# KiCad board pcb.kicad_pcb (continued)
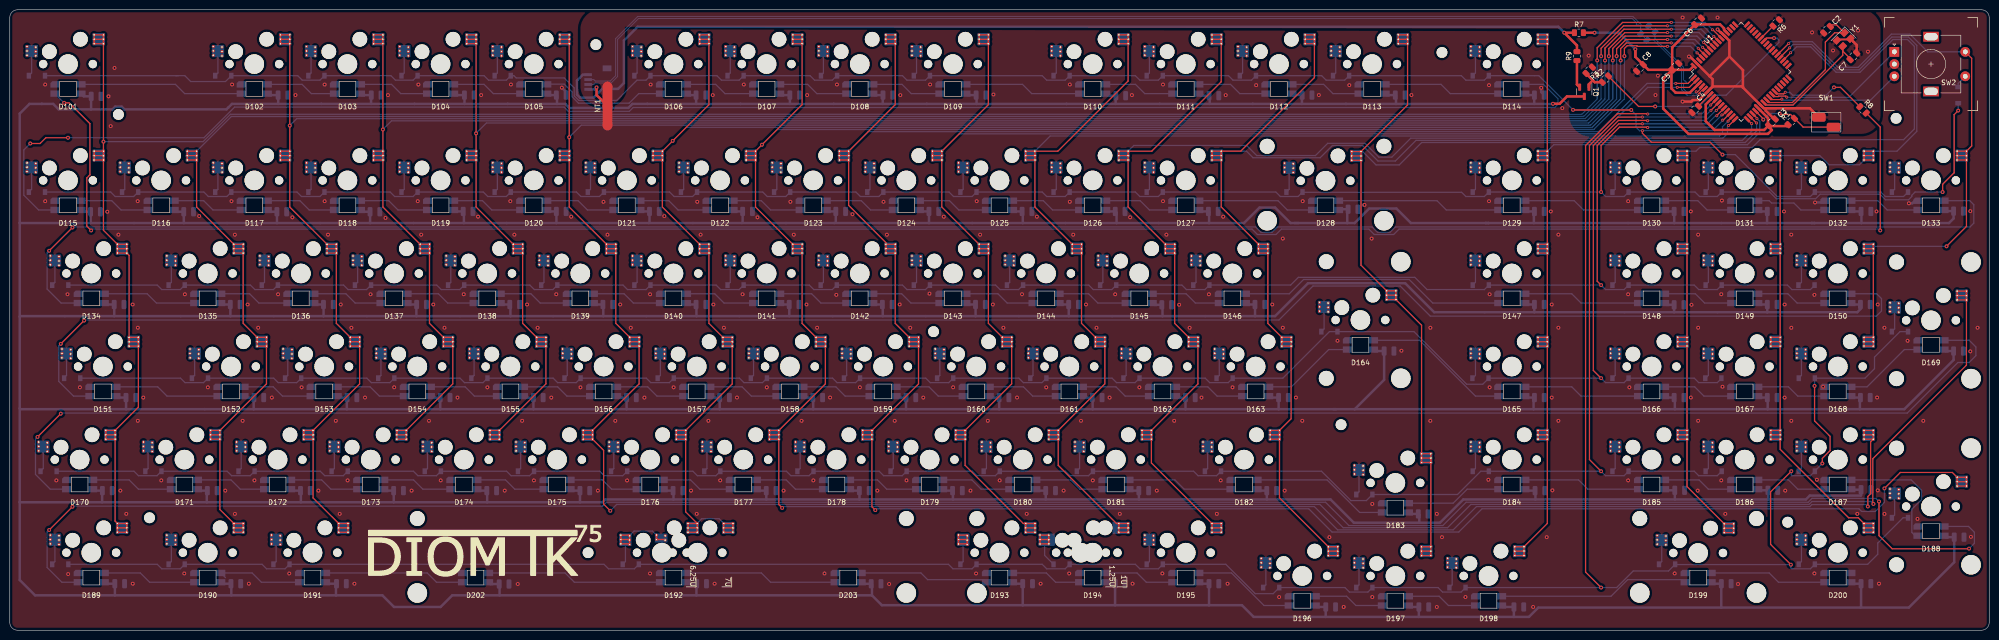
[diagram p0: board, top side]
## Routing (per net, layer and track width the routed paths; a pad name or vN(x,y) marks a point on that pad's centre or on a via; arc(x,y) is an arc through that point) (continued)
GND: length 9.5
  Bottom w0.508: C36.2 276.59,87.06 v1(277.05,87.06) ; v1(112.9,111.06) 113.78,110.19 C13.2 ; C22.2 313.18,110.16 v1(313.18,111.02) ; D133.3 389.6,87.92 389.08,87.39 v1(388.39,87.39) ; D132.3 370.83,87.57 v1(369.19,87.57)
  vias: v1(7.24,111.7) v1(7.24,87.82) v1(9.53,30.67) v1(11.81,68.77) v1(11.94,11.49) v1(14.35,49.72) v1(19.94,85.66) v1(20.19,109.28) v1(20.64,103.19) v1(21.43,115.09) v1(22.23,80.96) v1(22.61,28.58) v1(23.81,23.81) v1(25.12,66.68) v1(25.15,9.53) v1(26.16,87.82) v1(26.19,61.91) v1(26.19,42.86) v1(27.31,47.63) v1(30.99,30.67) v1(35.69,11.62) v1(35.81,68.77) v1(38.74,84.77) v1(40.51,49.72) v1(44.07,28.58) v1(45.34,87.82) v1(45.47,111.7) v1(46.04,80.96) v1(46.04,23.81) v1(47.63,42.86) v1(48.64,66.68) v1(48.9,9.53) v1(50.04,30.67) v1(50.8,61.91) v1(53.59,47.63) v1(54.86,68.77) v1(57.15,11.62) v1(57.79,84.52) v1(58.42,109.54) v1(59.69,49.72) v1(63.12,28.58) v1(64.39,111.7) v1(64.39,87.82) v1(65.09,80.96) v1(66.68,42.86) v1(67.47,23.81) v1(67.69,66.68) v1(69.09,30.67) v1(69.85,61.91) v1(70.49,9.53) v1(72.64,47.63) v1(73.79,68.77) v1(76.84,84.39) v1(77.34,109.54) v1(78.61,49.72) v1(82.17,28.58) v1(83.44,87.82) v1(83.57,111.7) v1(84.14,80.96) v1(85.73,42.86) v1(86.61,66.68) v1(88.14,30.67) v1(88.9,61.91) v1(90.55,11.75) v1(91.57,47.63) v1(92.84,68.77) v1(95.76,84.65) v1(96.39,109.54) v1(97.66,49.72) v1(101.22,28.58) v1(102.36,87.82) v1(102.49,111.7) v1(103.19,80.96) v1(103.89,9.46) v1(104.78,42.86) v1(105.79,66.68) v1(107.19,30.67) v1(107.95,61.91) v1(110.74,47.63) v1(111.76,68.77) v1(114.81,84.65) v1(116.71,49.72) v1(120.27,28.58) v1(121.41,87.69) v1(122.24,80.96) v1(123.83,42.86) v1(124.84,66.68) v1(126.24,30.67) v1(127,61.91) v1(129.79,47.63) v1(130.94,68.77) v1(130.94,11.62) v1(131.06,111.7) v1(133.86,84.77) v1(135.76,49.72) v1(139.32,28.58) v1(140.49,23.81) v1(140.59,87.69) v1(141.29,80.96) v1(142.88,42.86) v1(143.76,109.54) v1(143.89,66.68) v1(144.15,9.53) v1(145.29,30.67) v1(146.05,61.91) v1(148.72,47.63) v1(149.86,68.77) v1(150.11,111.7) v1(152.91,84.52) v1(154.81,49.72) v1(158.24,28.58) v1(159.64,87.69) v1(160.34,80.96) v1(161.93,42.86) v1(162.94,66.68) v1(163.07,109.54) v1(164.34,30.67) v1(165.1,61.91) v1(166.62,11.62) v1(167.77,47.63) v1(169.04,68.64) v1(169.16,111.7) v1(172.34,85.15) v1(173.86,49.72) v1(177.42,28.58) v1(178.69,87.69) v1(179.39,80.96) v1(179.83,9.46) v1(180.98,42.86) v1(181.99,66.68) v1(182.12,109.54) v1(183.39,30.67) v1(184.15,61.91) v1(186.82,47.63) v1(188.09,68.9) v1(188.21,111.7) v1(191.01,84.65) v1(192.91,49.72) v1(196.47,28.58) v1(197.61,11.62) v1(197.74,87.82) v1(198.44,80.96) v1(200.03,42.86) v1(201.04,66.68) v1(201.17,109.66) v1(202.44,30.67) v1(203.2,61.91) v1(205.99,47.63) v1(207.01,68.77) v1(207.96,23.81) v1(210.06,84.65) v1(210.82,9.53) v1(211.96,49.72) v1(215.52,28.58) v1(216.66,11.62) v1(216.79,111.7) v1(216.79,87.69) v1(217.49,80.96) v1(219.08,42.86) v1(220.09,66.68) v1(221.49,30.67) v1(222.25,61.91) v1(224.92,47.63) v1(226.06,68.77) v1(227.01,23.81) v1(229.11,84.52) v1(229.49,109.54) v1(229.62,9.53) v1(231.01,49.72) v1(234.57,28.58) v1(235.71,11.62) v1(235.84,111.7) v1(235.84,87.82) v1(236.54,80.96) v1(238.13,42.86) v1(239.14,66.61) v1(241.3,61.91) v1(243.71,47.63) v1(245.24,68.77) v1(246.86,23.81) v1(247.65,30.67) v1(248.16,84.65) v1(248.67,109.54) v1(249.05,9.53) v1(250.06,49.72) v1(254.89,111.57) v1(258.19,66.68) v1(259.59,6.79) v1(260.35,80.17) v1(260.35,61.91) v1(260.73,28.58) v1(263.02,47.63) v1(264.32,42.86) v1(264.41,87.82) v1(267.72,109.54) v1(269.88,19.05) v1(271.53,59.25) v1(272.8,4.76) v1(273.94,111.57) v1(278.51,80.17) v1(278.64,25.84) v1(278.64,6.79) v1(284.61,57.21) v1(286.64,109.54) v1(290.51,61.91) v1(290.51,42.86) v1(291.85,23.81) v1(291.85,4.76) v1(292.89,19.05) v1(297.69,6.79) v1(302.39,30.8) v1(302.51,111.57) v1(302.51,87.82) v1(302.64,68.77) v1(302.64,49.72) v1(311.53,4.76) v1(314.33,19.05) v1(315.15,85.73) v1(315.34,66.68) v1(315.34,47.63) v1(315.47,28.64) v1(316.71,80.96) v1(316.71,61.91) v1(316.71,42.86) v1(317.5,106.87) v1(330.96,87.82) v1(330.96,68.77) v1(330.96,30.67) v1(331.22,49.72) v1(340.49,11.62) v1(343.79,85.73) v1(343.79,47.63) v1(343.92,66.61) v1(345.19,28.58) v1(345.28,80.96) v1(345.28,61.91) v1(345.28,42.86) v1(350.01,68.77) v1(350.01,30.67) v1(350.14,87.95) v1(350.27,49.85) v1(350.84,23.81) v1(353.44,9.46) v1(362.84,85.73) v1(362.97,66.68) v1(362.97,47.63) v1(363.09,28.58) v1(364.33,80.96) v1(364.33,61.91) v1(364.33,42.86) v1(369.06,68.64) v1(369.06,11.62) v1(369.57,30.8) v1(370.84,49.85) v1(377.83,23.81) v1(381.76,85.73) v1(381.89,47.63) v1(382.02,66.68) v1(382.02,28.64) v1(382.27,9.53) v1(383.38,61.91) v1(383.38,23.81) v1(388.11,59.25) v1(390.14,22.8) v1(391.32,42.86) v1(400.94,85.79) v1(400.94,57.09) v1(401.07,19.11) v1(402.43,61.91)
GNDREF: length 69.9
  Top w0.25: Y1.4 376.1,120.78 ; 373.69,120.78 Y1.2
  Top w0.381: 376.25,120.93 373.84,120.93
  Top w0.508: 354.47,111.06 354.22,111.32 348.26,111.32 347.82,110.87 ; 354.47,111.06 354.46,111.06 354.46,114.65 351.66,117.44 ; 354.47,111.06 358.09,107.44 U1.22 358.71,106.84 359.09,106.84 ; v1(343.41,117.41) 343.61,117.41 U1.63 347.62,113.4 ; Y1.4 376.25,120.93 ; v1(342.1,108.21) 343.89,108.21 344.2,108.52 345.5,108.52 345.85,108.87 345.85,108.9 U1.6 347.82,110.87 ; 351.66,117.44 347.62,113.4 ; 351.66,117.44 351.66,120.67 U1.53 350.01,122.33 349.9,122.33 v1(349.25,122.98) ; 347.62,113.4 348.23,112.79 348.23,111.29 347.82,110.87 ; 359.09,106.84 359.09,106.35 360.91,104.53 ; 359.09,106.84 368.12,106.84 SW1.1 ; 373.84,120.93 Y1.2 ; 376.6,120.9 377.7,119.8 377.7,118.38
  vias: v1(322.9,117.61) v1(336.55,109.54) v1(337.06,113.51) v1(342.11,125.41) v1(349.25,125.41) v1(368.58,122.36) v1(372.87,118.68) v1(377.98,122.75) v1(380.01,118.43)
/LED/RGB_Data: length 20.3
  Top w0.254: v2(363.1,110.11) 362.78,109.79 361.41,109.79 U1.27 ; v1(373.06,111.13) 374.39,111.13 R8.1
  Bottom w0.254: v1(373.06,111.13) 371.45,109.51 364.64,109.51 364.04,110.11 v2(363.1,110.11)
/Power: length 226.5
  Top w0.508: R7.1 v1(317.9,122.31) 320.5,119.71 R9.2
  Bottom w0.508: 118.28,113.71 117.2,113.71 116,112.51 116,109.61 116.6,109.01 119.36,109.01 121.16,110.81 124.4,110.81 125.6,112.01 125.6,120.71 128.41,123.53 316.69,123.53 v1(317.9,122.31)
COL0: length 498.9
  Top w0.254: MX1.1 v1(19.16,100.01) MX15.1 ; MX1.1 MX1.1 MX1.1 MX1.1 MX1.1 ; v2(348.2,122.91) 348.29,122.91 U1.54 ; MX51.1 MX51.1 MX51.1 ; MX51.1 26.3,45.66 MX70.1 ; MX51.1 MX51.1 MX51.1 ; MX51.1 24.4,76.72 MX34.1 ; MX34.1 MX34.1 ; MX34.1 MX34.1 MX34.1 ; MX34.1 MX34.1 MX34.1 ; MX15.1 MX15.1 ; MX70.1 21.54,22.33 MX89.1 ; MX70.1 MX70.1 MX70.1 MX70.1 ; MX70.1 MX70.1 ; MX15.1 MX15.1 ; MX15.1 MX15.1 MX15.1 MX15.1 ; MX15.1 19.16,81.86 MX34.1 ; MX70.1 MX70.1 ; v1(324.64,116.62) 324.64,119.22 329.84,124.41 v2(339.8,124.41) ; MX1.1 MX1.1 ; MX51.1 MX51.1 ; MX89.1 MX89.1 ; MX89.1 MX89.1 MX89.1 MX89.1 MX89.1
  Bottom w0.254: v2(339.8,124.41) 346.69,124.41 348.19,122.91 v2(348.2,122.91) ; v1(324.64,116.62) 324.64,108.74 321.5,105.6 45.13,105.6 39.54,100.01 v1(19.16,100.01)
COL1: length 454.3
  Top w0.254: MX35.1 MX35.1 MX35.1 ; MX35.1 38.21,86.63 MX16.1 ; MX35.1 MX35.1 MX35.1 ; MX52.1 MX52.1 MX52.1 ; MX52.1 MX52.1 MX52.1 ; MX52.1 47.73,62.81 MX35.1 ; MX71.1 MX71.1 MX71.1 MX71.1 ; MX71.1 MX71.1 ; MX71.1 42.97,24.71 MX90.1 ; MX52.1 52.49,50.43 MX71.1 ; MX16.1 MX16.1 MX16.1 MX16.1 MX16.1 ; v2(339,123.71) 330.02,123.71 325.44,119.13 v1(325.44,117.51) ; MX90.1 MX90.1 MX90.1 MX90.1 MX90.1 ; U1.55 349.44,120.59 v2(348.49,121.54) ; MX16.1 MX16.1 ; MX90.1 MX90.1 ; MX52.1 MX52.1 ; MX35.1 MX35.1 ; MX71.1 MX71.1
  Bottom w0.254: v2(348.49,121.54) 346.32,123.71 v2(339,123.71) ; v1(325.44,117.51) 325.44,108.74 321.85,105.16 45.31,105.16 MX16.1
COL2: length 464.4
  Top w0.254: MX91.1 MX91.1 MX91.1 MX91.1 MX91.1 ; MX91.1 62.02,27.09 MX72.1 ; MX53.1 MX53.1 MX53.1 ; MX53.1 66.78,62.81 MX36.1 ; MX53.1 MX53.1 MX53.1 ; MX36.1 MX36.1 ; MX2.1 MX2.1 MX2.1 MX2.1 MX2.1 ; MX2.1 v1(57.26,103.29) MX17.1 ; MX72.1 MX72.1 MX72.1 MX72.1 ; MX72.1 MX72.1 ; MX72.1 71.54,50.43 MX53.1 ; MX53.1 MX53.1 ; MX72.1 MX72.1 ; v1(326.23,116.62) 326.23,119.16 330.09,123.01 v2(339.8,123.01) ; MX17.1 57.26,86.63 MX36.1 ; MX17.1 MX17.1 MX17.1 MX17.1 ; MX17.1 MX17.1 ; MX36.1 MX36.1 MX36.1 ; MX36.1 MX36.1 MX36.1 ; MX2.1 MX2.1 ; MX91.1 MX91.1 ; v2(347.4,121.51) 347.43,121.51 U1.56 ; MX17.1 MX17.1
  Bottom w0.254: v1(326.23,116.62) 326.23,108.74 322.2,104.71 58.67,104.71 v1(57.26,103.29) ; v2(339.8,123.01) 345.9,123.01 v2(347.4,121.51)
COL3: length 416
  Top w0.254: MX18.1 MX18.1 MX18.1 MX18.1 ; MX18.1 MX18.1 ; MX18.1 76.31,86.63 MX37.1 ; MX37.1 85.83,62.81 MX54.1 ; MX37.1 MX37.1 MX37.1 ; MX37.1 MX37.1 MX37.1 ; MX54.1 90.59,50.43 MX73.1 ; MX54.1 MX54.1 MX54.1 ; MX54.1 MX54.1 MX54.1 ; v2(347.35,120.46) 348.34,119.46 U1.57 ; v1(327.03,117.51) 327.03,119.06 330.28,122.31 338.98,122.31 v2(339,122.34) ; MX3.1 MX3.1 ; MX73.1 MX73.1 MX73.1 MX73.1 MX73.1 ; MX3.1 v1(76.31,102.5) MX18.1 ; MX3.1 MX3.1 MX3.1 MX3.1 MX3.1 ; MX73.1 MX73.1 ; MX54.1 MX54.1 ; MX18.1 MX18.1 ; MX37.1 MX37.1
  Bottom w0.254: v2(347.35,120.46) 345.47,122.34 v2(339,122.34) ; v1(327.03,117.51) 327.03,108.74 322.55,104.27 78.07,104.27 v1(76.31,102.5)
COL4: length 396.4
  Top w0.254: MX38.1 MX38.1 ; MX55.1 MX55.1 MX55.1 ; MX55.1 109.64,50.43 MX74.1 ; MX55.1 MX55.1 MX55.1 ; MX19.1 v1(95.36,101.71) MX4.1 ; MX19.1 MX19.1 MX19.1 MX19.1 ; MX19.1 MX19.1 ; MX38.1 MX38.1 MX38.1 ; MX38.1 95.36,86.63 MX19.1 ; MX38.1 MX38.1 MX38.1 ; MX38.1 104.88,62.81 MX55.1 ; MX4.1 MX4.1 MX4.1 MX4.1 MX4.1 ; MX74.1 MX74.1 MX74.1 MX74.1 MX74.1 ; MX4.1 MX4.1 ; MX55.1 MX55.1 ; v2(346.4,120.31) 347.78,118.93 U1.58 ; v2(339.8,121.61) 330.34,121.61 327.82,119.09 327.82,116.63 v1(327.83,116.62) ; MX19.1 MX19.1 ; MX74.1 MX74.1
  Bottom w0.254: v2(339.8,121.61) 345.05,121.61 346.35,120.31 v2(346.4,120.31) ; v1(95.36,101.71) 97.47,103.82 322.9,103.82 327.82,108.74 327.82,116.61 v1(327.83,116.62)
COL5: length 715.2
  Top w0.254: MX20.1 114.41,86.63 MX39.1 ; MX20.1 MX20.1 ; MX20.1 MX20.1 MX20.1 MX20.1 ; MX5.1 v1(114.41,100.91) MX20.1 ; MX5.1 MX5.1 MX5.1 MX5.1 MX5.1 ; MX56.1 123.93,62.81 MX39.1 ; MX56.1 MX56.1 MX56.1 ; MX56.1 MX56.1 MX56.1 ; MX69.1 MX69.1 MX69.1 MX69.1 MX69.1 ; MX69.1 400.16,54.26 381,35.1 381,25.97 v1(381.13,25.84) ; MX39.1 MX39.1 MX39.1 ; MX39.1 MX39.1 MX39.1 ; MX75.1 MX75.1 MX75.1 MX75.1 ; MX75.1 MX75.1 ; MX75.1 128.69,50.43 MX56.1 ; MX75.1 121.44,36.83 121.44,25.81 v1(122.81,24.45) ; v1(328.61,117.51) 328.61,119 330.53,120.91 v2(339,120.91) ; MX56.1 MX56.1 ; MX5.1 MX5.1 ; MX39.1 MX39.1 ; MX20.1 MX20.1 ; MX75.1 MX75.1 ; v2(346.2,119.32) 346.23,119.32 U1.59 ; MX69.1 MX69.1
  Bottom w0.254: v1(114.41,100.91) 116.87,103.38 323.25,103.38 328.61,108.74 v1(328.61,117.51) ; v2(339,120.91) 344.61,120.91 v2(346.2,119.32) ; v1(381.13,25.84) 380.62,26.35 368.56,26.35 367.96,25.75 298.8,25.75 294.04,20.99 272.7,20.99 267.94,25.75 124.11,25.75 v1(122.81,24.45)
COL6: length 404.6
  Top w0.254: v2(339.8,120.21) 330.59,120.21 329.44,119.06 v1(329.44,116.62) ; MX21.1 MX21.1 ; MX21.1 133.46,86.63 MX40.1 ; MX21.1 MX21.1 MX21.1 MX21.1 ; MX21.1 v1(135.58,100.17) 142.98,107.58 MX6.1 ; MX57.1 MX57.1 MX57.1 ; MX57.1 MX57.1 MX57.1 ; MX57.1 147.74,50.43 MX76.1 ; MX6.1 MX6.1 MX6.1 MX6.1 MX6.1 ; MX40.1 MX40.1 MX40.1 ; MX40.1 MX40.1 MX40.1 ; MX40.1 142.98,62.81 MX57.1 ; MX92.1 MX92.1 MX92.1 MX92.1 MX92.1 ; MX92.1 138.22,24.23 MX76.1 ; MX92.1 MX92.1 ; MX76.1 MX76.1 MX76.1 MX76.1 ; MX76.1 MX76.1 ; MX57.1 MX57.1 ; MX76.1 MX76.1 ; MX40.1 MX40.1 ; U1.60 345.3,119.11 v2(345.3,119.11) ; MX6.1 MX6.1 ; MX21.1 MX21.1 ; MX92.1 MX92.1 ; MX92.1 MX92.1 MX92.1 MX92.1 MX92.1
  Bottom w0.254: v2(339.8,120.21) 344.2,120.21 v2(345.3,119.11) ; MX92.1 141.52,22.83 145.05,22.83 MX92.1 ; v1(329.44,116.62) 329.41,116.59 329.41,108.74 323.6,102.94 138.34,102.94 v1(135.58,100.17)
COL7: length 604.5
  Top w0.254: U1.61 345.11,118.17 v2(345.06,118.17) ; MX22.1 v1(153.83,99.38) 162.03,107.58 MX7.1 ; MX22.1 MX22.1 MX22.1 MX22.1 ; MX22.1 MX22.1 ; MX77.1 MX77.1 MX77.1 MX77.1 ; MX77.1 166.79,50.43 MX58.1 ; MX77.1 MX77.1 ; MX87.1 380.56,38.55 380.56,27.94 379.98,27.37 v1(379.98,25.34) ; MX87.1 MX87.1 MX87.1 MX87.1 MX87.1 ; MX77.1 157.27,25.72 v1(157.96,25.03) ; MX41.1 162.03,62.81 MX58.1 ; MX41.1 MX41.1 MX41.1 ; MX41.1 MX41.1 MX41.1 ; MX7.1 MX7.1 MX7.1 MX7.1 MX7.1 ; MX58.1 MX58.1 MX58.1 ; MX58.1 MX58.1 MX58.1 ; v1(330.2,117.51) 330.2,119.06 330.78,119.64 332.74,119.64 332.87,119.51 v2(339,119.51) ; MX77.1 MX77.1 ; MX87.1 MX87.1 ; MX41.1 152.51,86.63 MX22.1 ; MX7.1 MX7.1 ; MX41.1 MX41.1 ; MX22.1 MX22.1 ; MX58.1 MX58.1
  Bottom w0.254: v1(379.98,25.34) 379.6,25.72 368.55,25.72 368.14,25.31 299.94,25.31 295.18,20.54 271.56,20.54 266.79,25.31 158.23,25.31 v1(157.96,25.03) ; v2(339,119.51) 343.72,119.51 v2(345.06,118.17) ; v1(153.83,99.38) 156.95,102.49 323.95,102.49 330.2,108.74 v1(330.2,117.51)
COL8: length 566.6
  Top w0.254: MX42.1 MX42.1 ; MX59.1 MX59.1 ; U1.1 343.22,111.93 v2(340.72,111.93) ; MX23.1 181.08,107.58 MX8.1 ; MX23.1 MX23.1 ; MX23.1 MX23.1 MX23.1 MX23.1 ; MX23.1 171.56,86.95 179.18,79.33 MX42.1 ; MX88.1 397.27,32.29 386.64,32.29 v1(383.38,29.03) ; MX88.1 MX88.1 MX88.1 MX88.1 MX88.1 ; MX88.1 MX88.1 ; MX42.1 MX42.1 MX42.1 ; MX42.1 MX42.1 MX42.1 ; MX59.1 MX59.1 MX59.1 ; MX59.1 MX59.1 MX59.1 ; MX59.1 181.08,62.81 MX42.1 ; v1(177.01,24.59) 176.32,25.28 MX78.1 ; MX78.1 MX78.1 MX78.1 MX78.1 ; MX78.1 MX78.1 ; MX59.1 185.84,50.43 MX78.1 ; MX8.1 MX8.1 ; MX78.1 MX78.1 ; MX8.1 MX8.1 MX8.1 MX8.1 MX8.1 ; MX23.1 MX23.1
  Bottom w0.254: v1(177.01,24.59) 177.28,24.86 265.65,24.86 270.41,20.1 296.32,20.1 301.09,24.86 378.17,24.86 378.72,24.32 381.5,24.32 383.38,26.19 v1(383.38,29.03) ; MX23.1 175.55,102.05 324.96,102.05 334.83,111.92 340.71,111.92 v2(340.72,111.93)
COL9: length 324.8
  Top w0.254: MX9.1 200.13,107.58 MX24.1 ; MX9.1 MX9.1 MX9.1 MX9.1 MX9.1 ; MX60.1 MX60.1 ; MX24.1 MX24.1 MX24.1 MX24.1 ; MX24.1 MX24.1 ; MX24.1 190.61,86.63 MX43.1 ; MX43.1 MX43.1 MX43.1 ; MX43.1 MX43.1 MX43.1 ; MX93.1 MX93.1 MX93.1 MX93.1 MX93.1 ; MX93.1 207.28,21.85 195.37,33.76 MX79.1 ; MX43.1 MX43.1 ; MX79.1 MX79.1 ; MX79.1 MX79.1 MX79.1 MX79.1 ; MX79.1 204.89,50.43 MX60.1 ; MX43.1 200.13,62.81 MX60.1 ; MX60.1 MX60.1 MX60.1 ; MX60.1 MX60.1 MX60.1 ; MX79.1 MX79.1 ; MX93.1 MX93.1 ; MX24.1 MX24.1 ; MX9.1 MX9.1 ; v2(341,111.11) 343.48,111.11 344.9,112.53 U1.2
  Bottom w0.254: v2(341,111.11) 340.99,111.13 334.96,111.13 325.44,101.6 194.16,101.6 MX24.1
COL10: length 317.5
  Top w0.254: MX44.1 MX44.1 MX44.1 ; MX44.1 219.18,62.81 MX61.1 ; MX44.1 MX44.1 MX44.1 ; MX61.1 223.94,50.43 MX80.1 ; MX61.1 MX61.1 MX61.1 ; MX61.1 MX61.1 MX61.1 ; MX25.1 MX25.1 ; MX25.1 MX25.1 MX25.1 MX25.1 ; MX25.1 209.66,86.63 MX44.1 ; MX25.1 214.34,98.05 228.71,112.42 MX10.1 ; MX80.1 MX80.1 ; MX25.1 MX25.1 ; MX94.1 MX94.1 MX94.1 MX94.1 MX94.1 ; MX94.1 226.33,21.85 214.42,33.76 MX80.1 ; U1.15 351.41,104.28 v2(351.41,104.2) ; MX80.1 MX80.1 MX80.1 MX80.1 ; MX80.1 MX80.1 ; MX44.1 MX44.1 ; MX10.1 MX10.1 MX10.1 MX10.1 MX10.1 ; MX10.1 MX10.1 ; MX94.1 MX94.1 ; MX61.1 MX61.1
  Bottom w0.254: v2(351.41,104.2) 350.27,103.06 350.27,101.79 349.64,101.16 212.77,101.16 MX25.1
COL11: length 302.7
  Top w0.254: MX62.1 MX62.1 ; MX45.1 238.23,62.81 MX62.1 ; MX45.1 MX45.1 MX45.1 ; MX45.1 MX45.1 MX45.1 ; v2(351.5,103.31) 351.57,103.31 U1.16 ; MX45.1 228.71,86.63 MX26.1 ; MX45.1 MX45.1 ; MX62.1 MX62.1 MX62.1 ; MX62.1 MX62.1 MX62.1 ; MX81.1 MX81.1 MX81.1 MX81.1 ; MX81.1 MX81.1 ; MX81.1 242.99,50.43 MX62.1 ; MX11.1 MX11.1 MX11.1 MX11.1 MX11.1 ; MX11.1 247.76,112.27 233.54,98.05 MX26.1 ; MX81.1 MX81.1 ; MX81.1 233.47,34.24 MX95.1 ; MX26.1 MX26.1 MX26.1 MX26.1 ; MX26.1 MX26.1 ; MX95.1 MX95.1 MX95.1 MX95.1 MX95.1 ; MX95.1 MX95.1 ; MX26.1 MX26.1 ; MX11.1 MX11.1
  Bottom w0.254: v2(351.5,103.31) 351.28,103.09 351.28,101.66 350.33,100.72 286.52,100.72 282.64,96.84 279.97,96.84 277.15,99.66 269.53,99.66 267.02,97.16 255.01,97.16 252.95,99.22 229.88,99.22 MX26.1
COL12: length 288.1
  Top w0.254: MX82.1 MX82.1 MX82.1 MX82.1 ; MX82.1 259.66,27.09 MX96.1 ; MX82.1 MX82.1 ; MX46.1 MX46.1 MX46.1 ; MX46.1 257.28,62.81 MX63.1 ; MX46.1 MX46.1 MX46.1 ; MX46.1 247.76,86.63 MX27.1 ; v2(356.24,103.7) 356.2,103.7 U1.17 ; MX96.1 MX96.1 MX96.1 MX96.1 MX96.1 ; MX63.1 MX63.1 MX63.1 ; MX63.1 MX63.1 MX63.1 ; MX82.1 MX82.1 ; MX63.1 262.04,43.28 MX82.1 ; MX12.1 266.81,113.12 251.74,98.05 MX27.1 ; MX12.1 MX12.1 MX12.1 MX12.1 MX12.1 ; MX27.1 MX27.1 MX27.1 MX27.1 ; MX27.1 MX27.1 ; MX12.1 MX12.1 ; MX46.1 MX46.1 ; MX96.1 MX96.1 ; MX63.1 MX63.1 ; MX27.1 MX27.1
  Bottom w0.254: MX27.1 252.92,98.05 254.25,96.72 267.98,96.72 270.49,99.22 276.64,99.22 279.81,96.04 283.37,96.04 287.6,100.27 354.34,100.27 355.98,101.92 356.01,101.92 356.24,102.15 v2(356.24,103.7)
COL13: length 241.8
  Top w0.254: U1.18 357.19,103.83 v2(357.24,103.83) ; MX13.1 285.86,107.51 MX28.1 ; MX13.1 MX13.1 MX13.1 MX13.1 MX13.1 ; MX28.1 MX28.1 ; MX28.1 276.33,74.72 MX64.1 ; MX28.1 MX28.1 MX28.1 MX28.1 ; MX28.1 MX28.1 ; MX64.1 MX64.1 MX64.1 ; MX64.1 MX64.1 MX64.1 ; MX64.1 288.72,62.43 MX83.1 ; MX83.1 MX83.1 MX97.1 ; MX97.1 MX97.1 MX97.1 MX97.1 MX97.1 ; MX97.1 MX97.1 ; MX83.1 MX83.1 MX83.1 MX83.1 MX83.1 ; MX13.1 MX13.1 ; MX64.1 MX64.1
  Bottom w0.254: MX28.1 276.67,97.98 279.4,95.25 284.16,95.25 288.74,99.83 354.91,99.83 357,101.92 357.01,101.92 357.24,102.15 v2(357.24,103.83)
COL14: length 203.4
  Top w0.254: MX84.1 MX84.1 MX84.1 MX84.1 ; MX84.1 314.43,21.85 MX98.1 ; MX84.1 MX84.1 ; MX65.1 MX65.1 ; MX14.1 MX14.1 MX14.1 MX14.1 MX14.1 ; MX14.1 MX29.1 ; v2(357.3,104.74) 357.3,104.85 U1.19 ; MX29.1 MX29.1 ; MX29.1 MX47.1 ; MX29.1 MX29.1 MX29.1 MX29.1 ; MX47.1 MX47.1 MX47.1 MX47.1 ; MX47.1 MX47.1 ; MX98.1 MX98.1 MX98.1 MX98.1 MX98.1 ; MX84.1 MX65.1 ; MX65.1 MX65.1 MX65.1 MX65.1 314.43,59.64 ; MX65.1 314.43,59.64 ; MX14.1 MX14.1 ; MX84.1 MX84.1 ; MX47.1 314.43,59.64 ; MX47.1 MX47.1 ; MX98.1 MX98.1 ; MX29.1 MX29.1
  Bottom w0.254: v2(357.3,104.74) 357.89,104.16 357.89,101.92 355.35,99.38 315.77,99.38 MX29.1
COL15: length 217.5
  Top w0.254: MX30.1 MX30.1 MX30.1 MX30.1 MX30.1 ; MX30.1 MX48.1 ; MX85.1 MX85.1 MX85.1 MX85.1 ; MX85.1 MX85.1 ; MX85.1 343.01,29.41 MX99.1 ; MX99.1 MX99.1 MX99.1 MX99.1 MX99.1 ; MX66.1 MX66.1 MX66.1 MX66.1 ; MX66.1 MX85.1 ; MX66.1 MX66.1 ; MX48.1 MX66.1 ; MX48.1 MX48.1 MX48.1 MX48.1 ; MX48.1 MX48.1 ; v2(364.2,118.21) 364.2,118.2 U1.35 ; MX66.1 MX66.1 ; MX48.1 MX48.1 ; MX85.1 MX85.1 ; MX30.1 MX30.1 ; MX99.1 MX99.1
  Bottom w0.254: MX30.1 344.84,98.05 345.6,98.81 356.35,98.81 357.95,100.41 387.3,100.41 389.5,102.61 389.5,119.51 388.1,120.91 385.1,120.91 378.4,114.21 373.5,114.21 368.3,119.41 365.4,119.41 v2(364.2,118.21)
COL16: length 216.6
  Top w0.254: MX100.1 378.04,23.02 376.08,23.02 362.06,37.04 MX86.1 ; MX100.1 MX100.1 MX100.1 MX100.1 MX100.1 ; MX86.1 MX86.1 ; MX49.1 MX49.1 ; MX31.1 MX31.1 MX31.1 MX31.1 MX31.1 ; MX31.1 MX49.1 ; MX67.1 MX67.1 MX67.1 MX67.1 ; MX67.1 MX49.1 ; MX67.1 MX67.1 ; MX49.1 MX49.1 ; MX49.1 MX49.1 MX49.1 MX49.1 ; U1.36 362.07,117.28 v2(364,119.21) ; MX86.1 MX86.1 ; MX86.1 MX86.1 MX86.1 MX86.1 ; MX86.1 MX67.1 ; MX67.1 MX67.1 ; MX100.1 MX100.1 ; MX32.1 MX32.1 ; MX31.1 MX31.1 ; MX32.1 MX32.1 MX32.1 MX32.1 MX32.1
  Bottom w0.254: v2(364,119.21) 364.7,119.91 368.5,119.91 373.7,114.71 378.2,114.71 384.9,121.41 388.3,121.41 390,119.71 390,102.11 385.94,98.05 MX32.1 ; MX31.1 370.16,97.16 372.04,95.28 378.27,95.28 MX32.1
COL17: length 148
  Top w0.254: MX33.1 400.16,82.66 v1(396.08,78.58) ; MX33.1 MX33.1 MX33.1 MX33.1 ; MX33.1 MX33.1 ; MX33.1 401.22,99.12 401.22,117.07 SW2.S2 ; MX50.1 MX50.1 MX50.1 MX50.1 MX50.1 ; MX50.1 MX68.1 ; MX68.1 MX68.1 MX68.1 MX68.1 MX68.1 ; MX68.1 MX68.1 ; v2(363.8,120.11) 361.5,117.81 U1.37 ; MX33.1 MX33.1 ; MX50.1 MX50.1
  Bottom w0.254: v1(396.08,78.58) 380.62,78.58 MX50.1 ; SW2.S2 392.23,118.39 388.6,122.01 384.8,122.01 378,115.21 373.9,115.21 368.65,120.46 364.15,120.46 v2(363.8,120.11)
D+: length 249.4
  Top w0.2: v2(345.47,109.65) 345.47,109.93 346.37,110.84 U1.5
  Bottom w0.2: 118.28,111.71 119.44,111.71 119.74,112.01 122.98,112.01 124.3,113.33 124.3,120.93 128.58,125.21 331.79,125.21 332.64,124.35 arc(332.69,124.24) 332.64,124.13 arc(332.6,124.02) 332.64,123.91 332.7,123.85 arc(332.81,123.81) 332.92,123.85 arc(333.03,123.9) 333.14,123.85 333.52,123.47 R4.2 R4.1 336.16,120.8 341.9,115.06 341.9,110.63 343.02,109.51 345.05,109.51 345.18,109.65 v2(345.47,109.65)
D-: length 249.3
  Top w0.2: U1.4 346.09,111.12 345.18,110.21 v2(344.9,110.21)
  Bottom w0.2: 118.28,112.71 119.44,112.71 119.74,112.41 122.82,112.41 123.9,113.5 123.9,121.1 128.42,125.61 331.95,125.61 333.81,123.76 R5.2 R5.1 336.45,121.08 342.3,115.23 342.3,112.71 arc(342.38,112.52) 342.57,112.44 342.58,112.44 arc(342.77,112.36) 342.85,112.17 arc(342.77,111.98) 342.58,111.9 342.57,111.9 arc(342.38,111.82) 342.3,111.63 342.3,110.8 343.18,109.91 344.88,109.91 344.9,109.93 v2(344.9,110.21)
ROT_A: length 29.2
  Top w0.254: U1.26 360.85,109.23 361.63,109.23 361.73,109.33 363.18,109.33 v2(363.4,109.11)
  Bottom w0.254: v2(363.4,109.11) 363.44,109.07 376.09,109.07 SW2.A
ROT_B: length 28
  Top w0.254: v2(362.4,108.71) 362.3,108.61 360.33,108.61 U1.25
  Bottom w0.254: v2(362.4,108.71) 362.62,108.5 380.51,108.5 SW2.B
ROW0: length 428.5
  Top w0.254: v1(350.27,97.35) 347.73,99.89 335.73,99.89 333.88,101.73 v2(333.88,102.24) ; v1(331.6,106.49) 319.72,106.49 v1(319.7,106.51) ; v2(350.3,104.41) 350.41,104.41 U1.14
  Bottom w0.25: D1.1 34.01,113.51 ; 34.01,113.51 34.51,113.51 ; 34.01,113.51 34.01,113.51 35.8,113.51 37,112.31 44.11,112.31 D2.1 58.89,113.51 59.81,112.59 63.44,112.59 D3.1 77.95,113.51 78.86,112.59 82.49,112.59 D4.1 97,113.51 97.91,112.59 101.54,112.59 D5.1 103.11,113.51 103.57,113.05 113.4,113.05 115.43,111.01 115.43,109.38 116.36,108.44 124.13,108.44 128.28,112.59 130.12,112.59 D6.1 144.62,113.51 145.54,112.59 149.17,112.59 D7.1 163.67,113.51 164.59,112.59 168.22,112.59 169.13,113.51 182.56,113.51 183.48,112.59 187.27,112.59 D9.1 211.14,113.51 212.05,112.59 215.84,112.59 D10.1 230.19,113.51 231.1,112.59 234.89,112.59 D11.1 249.24,113.51 250.15,112.59 253.94,112.59 D12.1 268.29,113.51 269.2,112.59 272.99,112.59 D13.1 296.86,113.51 297.78,112.59 301.57,112.59 D14.1
  Bottom w0.254: v1(331.6,106.49) 332.58,105.51 332.58,102.96 333.3,102.24 v2(333.88,102.24) 333.92,102.28 348.21,102.28 350.3,104.36 v2(350.3,104.41) ; v1(350.27,97.35) 352.89,97.35 357.18,93.06 357.18,93.05 361.45,88.78 368.24,88.78 D32.1 382.65,89.69 383.57,88.78 387.29,88.78 D33.1 ; D14.1 312.71,113.51 v1(319.7,106.51)